# Allegro board XS6-9.brd (continued)
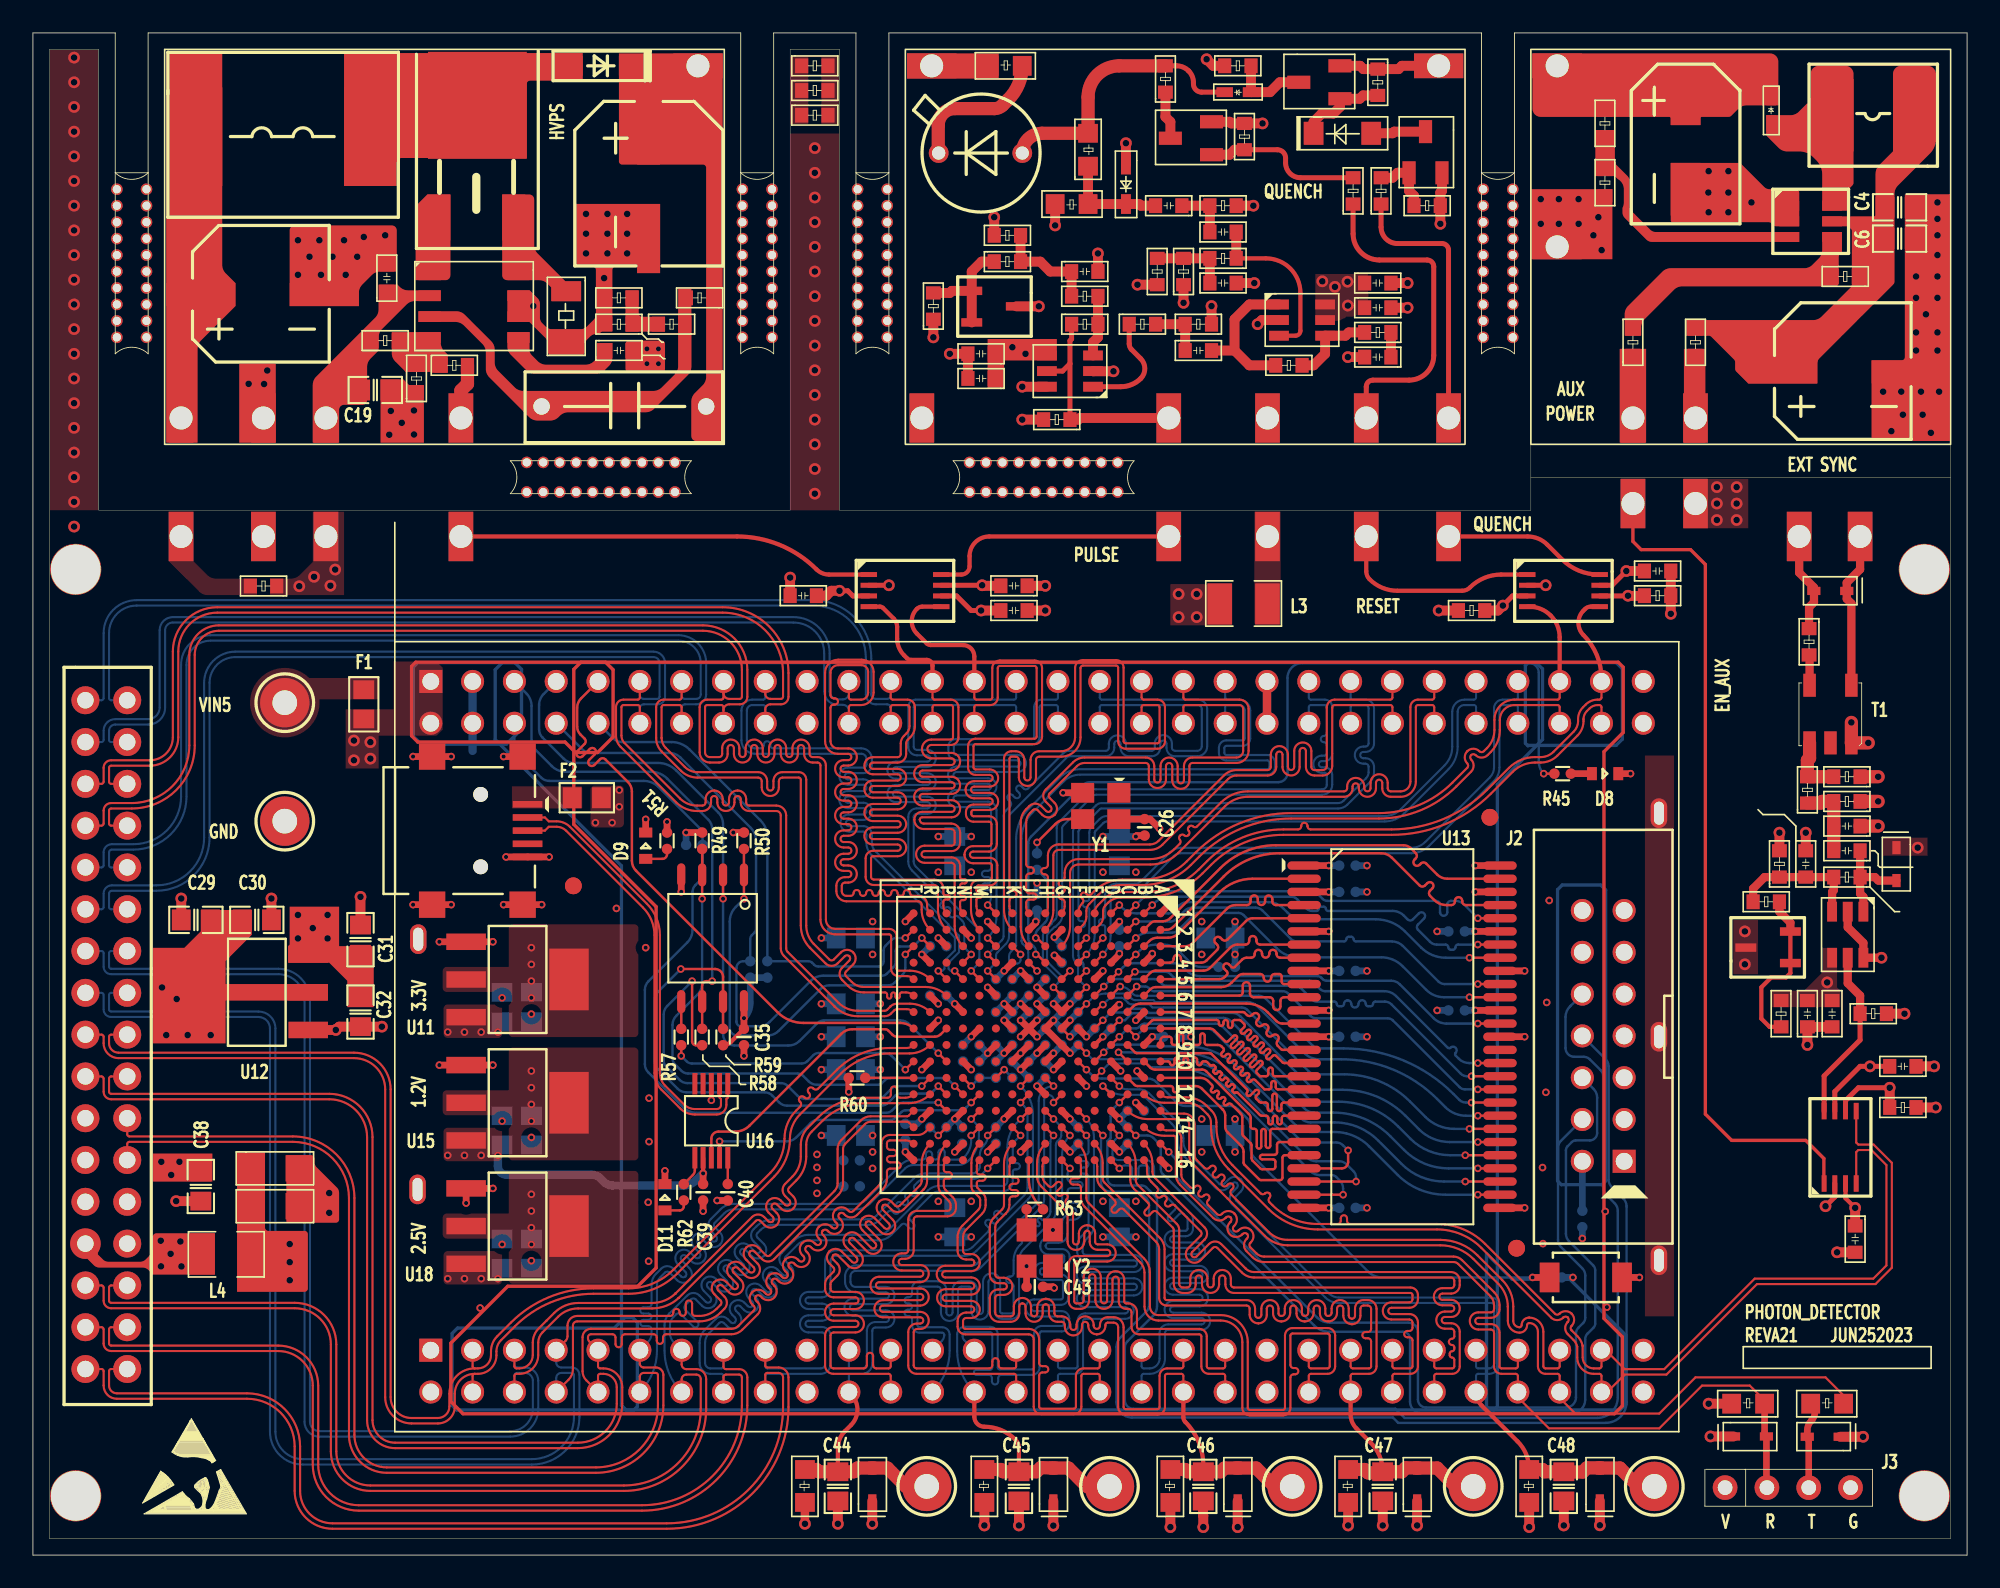
[diagram p0: board, top side]
## Routing (per net, layer and track width the routed paths; a pad name or vN(x,y) marks a point on that pad's centre or on a via; arc(x,y) is an arc through that point) (continued)
T5_L48N_2: length 90.7
  TOP w0.127: J5.7 4.75,44.33 arc(4.66,44.36) 4.62,44.45 4.62,45.24 arc(4.66,45.33) 4.75,45.37 6,45.37 arc(8.71,46.49) 9.83,49.2 9.83,54.7 arc(10.26,55.74) 11.3,56.17 40.7,56.17 arc(42.38,55.48) 43.07,53.8 43.07,52.16 arc(43.03,52.07) 42.94,52.03 42.3,52.03 arc(42.05,52.13) 41.95,52.38 ; 41.95,52.38 41.95,52.11 arc(41.95,52.08) 41.93,52.04 arc(41.88,52) 41.82,51.98 40.96,51.98 arc(40.64,51.85) 40.5,51.53 40.5,48.78 arc(40.68,48.34) 41.12,48.16 41.68,48.16 arc(42.05,48.31) 42.2,48.68 42.2,49.04 arc(42.39,49.23) 42.58,49.04 42.58,48.68 arc(43.1,48.16) 43.63,48.68 43.63,49.04 arc(43.82,49.23) 44.01,49.04 44.01,48.68 arc(44.53,48.16) 45.05,48.68 45.05,49.04 arc(45.24,49.23) 45.43,49.04 45.43,48.68 arc(45.95,48.16) 46.47,48.68 46.47,49.04 arc(46.66,49.23) 46.85,49.04 46.85,48.68 arc(47,48.31) 47.37,48.16 47.66,48.16 arc(47.79,48.11) 47.84,47.98 47.84,38.62 arc(48.11,37.99) 48.74,37.72 52.01,37.72 arc(52.1,37.69) 52.14,37.6 52.14,35.64 arc(52.27,35.32) 52.59,35.18 53.1,35.18 arc(53.3,35.14) 53.47,35.03 U14.T5 ; 41.95,52.38 J4.15
T6_L47N_2: length 90.9
  TOP w0.127: J4.13 39.41,52.11 arc(39.37,52.02) 39.28,51.98 38.32,51.98 arc(37.99,51.85) 37.86,51.53 37.86,49.66 arc(37.95,49.21) 38.21,48.82 39.37,47.66 arc(39.83,47.36) 40.37,47.25 44.06,47.25 arc(44.21,47.18) 44.27,47.03 44.27,46.65 arc(44.79,46.13) 45.32,46.65 45.32,47.03 arc(45.38,47.18) 45.53,47.25 46.52,47.25 arc(46.61,47.21) 46.65,47.12 46.65,38.26 arc(46.79,37.53) 47.19,36.92 arc(47.2,36.91) 47.21,36.89 47.21,36.89 48.15,35.96 arc(48.52,35.81) 48.89,35.96 49.32,36.39 arc(49.46,36.45) 49.59,36.39 49.59,36.39 arc(49.65,36.26) 49.59,36.12 49.16,35.69 arc(49,35.32) 49.16,34.95 49.51,34.59 arc(49.96,34.3) 50.48,34.19 51.77,34.19 arc(51.86,34.16) 51.89,34.07 51.89,33.94 arc(52.02,33.81) 52.15,33.94 52.15,34.07 arc(52.27,34.19) 52.4,34.07 52.4,33.94 arc(52.53,33.81) 52.65,33.94 52.65,34.07 arc(52.69,34.16) 52.78,34.19 53.04,34.19 arc(53.29,34.14) U14.T6
  BOTTOM w0.127: J5.9 4.75,41.79 arc(4.66,41.82) 4.62,41.91 4.62,42.7 arc(4.67,42.82) 4.79,42.87 6.1,42.87 arc(8.38,43.82) 9.33,46.1 9.33,54.1 arc(9.76,55.14) 10.8,55.57 39.2,55.57 arc(40.17,55.17) 40.57,54.2 40.57,52.3 arc(40.49,52.11) 40.3,52.03 39.6,52.03 arc(39.47,52.09) 39.41,52.22 J4.13
T7_L32N_GCLK28_2: length 89.4
  TOP w0.127: J4.11 36.87,52.11 arc(36.83,52.02) 36.74,51.98 35.88,51.98 arc(35.56,51.85) 35.42,51.53 35.42,49.8 arc(35.5,49.43) 35.71,49.11 39.08,45.74 arc(39.66,45.35) 40.35,45.22 40.67,45.22 arc(41.04,45.37) 41.2,45.74 41.2,45.94 arc(41.39,46.13) 41.58,45.94 41.58,45.74 arc(42.1,45.22) 42.62,45.74 42.62,45.94 arc(42.81,46.13) 43,45.94 43,45.74 arc(43.15,45.37) 43.52,45.22 45.16,45.22 arc(45.35,45.14) 45.43,44.95 45.43,36.88 arc(45.48,36.63) 45.62,36.41 48.7,33.33 arc(49.35,32.9) 50.12,32.74 51.74,32.74 arc(51.95,32.79) 52.13,32.9 52.33,33.11 arc(52.41,33.16) 52.5,33.18 53.08,33.18 arc(53.3,33.13) U14.T7
  BOTTOM w0.127: J4.11 36.87,52.26 arc(36.94,52.1) 37.1,52.03 37.94,52.03 arc(38.03,52.07) 38.07,52.16 38.07,54.2 arc(37.96,54.46) 37.7,54.57 12.3,54.57 arc(11.19,54.11) 10.73,53 10.73,43.6 arc(9.78,41.32) 7.5,40.37 4.79,40.37 arc(4.67,40.32) 4.62,40.2 4.62,39.37 arc(4.66,39.28) 4.75,39.25 J5.11
T8_IO_GCLK0_2: length 37.3
  TOP w0.147: J4.9 33.3,52.06 arc(33.12,51.79) 33.06,51.48 33.06,50.35 arc(33.11,50.09) 33.26,49.87 33.52,49.61 arc(33.58,49.45) 33.52,49.3 33.08,48.86 arc(33.08,48.55) 33.39,48.55 33.83,48.99 arc(34.14,48.99) 34.14,48.67 33.79,48.32 arc(33.79,48.01) 34.1,48.01 34.45,48.36 arc(34.61,48.43) 34.77,48.36 36.15,46.98 arc(36.32,46.71) 36.39,46.4 36.39,42.19 arc(36.45,41.86) 36.64,41.59 45.24,32.99 arc(45.96,32.51) 46.8,32.34 52.68,32.34 arc(53.13,32.25) U14.T8
T9_L23N_2: length 84.8
  TOP w0.127: J5.17 4.75,31.63 arc(4.66,31.59) 4.62,31.5 4.62,31.11 arc(4.79,30.7) 5.2,30.53 19.5,30.53 arc(21.08,29.88) 21.73,28.3 21.73,9.6 arc(22.1,8.7) 23,8.33 24.6,8.33 arc(25.09,8.54) 25.3,9.03 25.3,9.81 arc(25.75,10.89) 26.84,11.34 ; 26.84,11.34 27.03,11.34 arc(27.59,11.58) 27.83,12.14 27.83,12.38 arc(27.93,12.88) 28.21,13.3 29.04,14.13 arc(31.34,15.67) 34.06,16.21 36.18,16.21 arc(37.65,16.5) 38.9,17.33 44.8,23.24 arc(45.44,24.19) 45.66,25.3 arc(45.84,26.23) 46.37,27.01 46.62,27.26 arc(46.67,27.4) 46.62,27.53 46.59,27.56 arc(46.59,27.83) 46.86,27.83 46.89,27.8 arc(47.16,27.8) 47.16,28.07 47.12,28.1 arc(47.13,28.37) 47.39,28.37 47.42,28.34 arc(47.56,28.28) 47.69,28.34 48.85,29.5 arc(50.31,30.47) 52.03,30.81 53.08,30.81 arc(53.3,30.86) 53.48,30.98 U14.T9 ; 26.84,11.34 arc(26.75,11.38) 26.71,11.47 J6.3
T10_IO_MOSI_MISO0_2: length 1.7
  TOP w0.147: U9.5 R57.2
T12_L52N_1: length 99.1
  TOP w0.127: U14.T12 53.5,28 arc(53.27,27.85) 53,27.79 52.69,27.79 arc(52.55,27.85) 52.5,27.98 52.5,28.29 arc(52.31,28.48) 52.12,28.29 52.12,27.98 arc(52.06,27.85) 51.93,27.79 50.54,27.79 arc(49.02,27.49) 47.74,26.63 47.08,25.97 arc(46.76,25.5) 46.65,24.94 46.65,24.23 arc(46.52,23.56) 46.14,23 45.7,22.56 arc(45.54,22.19) 45.7,21.82 45.96,21.56 arc(46.01,21.43) 45.96,21.29 arc(45.82,21.24) 45.69,21.29 45.43,21.55 arc(44.69,21.55) 44.69,20.81 44.95,20.55 arc(45.01,20.42) 44.95,20.29 44.95,20.29 arc(44.81,20.23) 44.68,20.29 44.42,20.54 arc(44.05,20.7) 43.68,20.54 39.04,15.9 arc(39.04,15.9) 39.03,15.89 arc(38.38,15.47) 37.61,15.32 33.13,15.32 arc(32.34,15.16) 31.67,14.72 31.2,14.25 30.73,13.77 arc(30.46,13.38) 30.37,12.91 30.37,12.16 arc(30.13,11.58) 29.55,11.34 29.38,11.34 arc(29.29,11.38) 29.25,11.47 J6.5
  BOTTOM w0.127: J5.14 4.17,36.71 arc(4.26,36.67) 4.29,36.58 4.29,35.76 arc(4.43,35.43) 4.75,35.3 14.9,35.3 arc(16.03,34.83) 16.5,33.7 16.5,8.1 arc(16.76,7.46) 17.4,7.2 29,7.2 arc(30.2,7.7) 30.7,8.9 30.7,10.6 arc(30.47,11.17) 29.9,11.4 29.4,11.4 arc(29.29,11.44) 29.25,11.55 J6.5
T13_L51N_1: length 101.9
  TOP w0.127: U14.T13 53.2,26.7 arc(53.16,26.67) 53.11,26.66 50.89,26.66 arc(50.58,26.6) 50.31,26.42 49.12,25.23 arc(48.94,24.97) 48.88,24.67 48.88,22.6 arc(48.83,22.34) 48.69,22.12 44.79,18.22 arc(44.66,18.17) 44.52,18.22 44.07,18.68 arc(43.7,18.83) 43.33,18.68 arc(43.18,18.31) 43.33,17.94 43.79,17.49 arc(43.79,17.22) 43.52,17.22 43.06,17.67 arc(42.69,17.83) 42.32,17.67 42.32,17.67 arc(42.17,17.31) 42.32,16.94 42.78,16.48 arc(42.78,16.21) 42.51,16.21 42.13,16.59 arc(41.76,16.74) 41.39,16.59 arc(41.24,16.22) 41.39,15.85 41.77,15.47 arc(41.83,15.34) 41.77,15.2 41.53,14.97 arc(41.06,14.65) 40.49,14.53 40.24,14.53 arc(40.1,14.59) 40.04,14.72 40.04,15.28 arc(39.85,15.47) 39.66,15.28 39.66,14.72 arc(39.47,14.53) 39.28,14.72 39.28,14.77 arc(39.09,14.96) 38.9,14.77 38.9,14.72 arc(38.85,14.59) 38.71,14.53 33.07,14.53 arc(32.65,14.36) 32.48,13.94 32.48,13.3 arc(32.45,13.15) 32.36,13.02 J6.7
  BOTTOM w0.127: J6.7 31.79,11.71 arc(31.88,11.49) 32.1,11.4 32.74,11.4 arc(33.07,11.27) 33.2,10.94 33.2,8.4 arc(32.35,6.35) 30.3,5.5 16.4,5.5 arc(14.99,6.09) 14.4,7.5 14.4,32 arc(14.19,32.49) 13.7,32.7 4.75,32.7 arc(4.43,32.83) 4.29,33.16 4.29,34.04 arc(4.26,34.13) 4.17,34.17 J5.16
T14_L51P_1: length 100.5
  TOP w0.127: U14.T14 53.2,26.3 arc(53.16,26.32) 53.11,26.33 50.89,26.33 arc(50.7,26.3) 50.54,26.19 49.35,24.99 arc(49.25,24.85) 49.21,24.67 49.21,22.6 arc(49.14,22.21) 48.92,21.88 45.03,17.99 arc(44.66,17.84) 44.29,17.99 43.83,18.45 arc(43.7,18.5) 43.56,18.45 43.56,18.45 arc(43.51,18.31) 43.56,18.18 44.02,17.72 arc(44.02,16.98) 43.28,16.98 42.83,17.44 arc(42.69,17.5) 42.56,17.44 arc(42.5,17.31) 42.56,17.17 43.01,16.71 arc(43.01,15.98) 42.28,15.98 41.9,16.36 arc(41.76,16.41) 41.63,16.36 arc(41.57,16.22) 41.63,16.09 42.01,15.71 arc(42.16,15.34) 42.01,14.97 41.77,14.73 arc(41.18,14.34) 40.49,14.2 33.07,14.2 arc(32.88,14.13) 32.81,13.94 32.81,11.3 arc(32.74,10.95) 32.54,10.66 J6.8
  BOTTOM w0.127: J6.8 31.79,10.76 arc(31.88,10.98) 32.1,11.07 32.74,11.07 arc(32.83,11.03) 32.87,10.94 32.87,8.4 arc(32.12,6.58) 30.3,5.83 16.4,5.83 arc(15.22,6.32) 14.73,7.5 14.73,32 arc(14.43,32.73) 13.7,33.03 4.75,33.03 arc(4.66,33.07) 4.62,33.16 4.62,34.04 arc(4.66,34.13) 4.75,34.17 J5.15
T15_L50N_1: length 96.8
  TOP w0.127: J5.20 4.17,29.09 arc(4.26,29.05) 4.29,28.96 4.29,28.16 arc(4.43,27.83) 4.75,27.7 18,27.7 arc(19.63,27.03) 20.3,25.4 20.3,8.2 arc(20.8,7) 22,6.5 33.1,6.5 arc(35.01,7.29) 35.8,9.2 35.8,10.2 arc(35.46,11.01) 34.66,11.34 34.46,11.34 arc(34.37,11.38) 34.33,11.47 J6.9 33.8,12.98 arc(33.74,13.07) 33.72,13.17 33.72,13.24 arc(33.77,13.37) 33.9,13.42 35.2,13.42 arc(35.34,13.37) 35.39,13.23 35.39,12.82 arc(35.58,12.63) 35.77,12.82 35.77,13.23 arc(35.83,13.37) 35.96,13.42 37.71,13.42 arc(37.84,13.37) 37.9,13.23 37.9,13.02 arc(38.09,12.83) 38.28,13.02 38.28,13.23 arc(38.34,13.37) 38.47,13.42 42.43,13.42 arc(42.79,13.49) 43.09,13.69 44.03,14.63 arc(44.18,15) 44.03,15.37 43.93,15.47 arc(43.87,15.6) 43.92,15.73 43.93,15.74 arc(44.06,15.79) 44.2,15.74 44.3,15.64 arc(45.04,15.64) 45.04,16.37 44.93,16.48 arc(44.88,16.61) 44.93,16.74 44.93,16.75 arc(45.07,16.8) 45.2,16.75 45.31,16.64 arc(46.04,16.64) 46.04,17.38 45.94,17.48 arc(45.89,17.6) 45.94,17.72 45.94,17.73 arc(46.09,17.79) 46.24,17.73 46.31,17.65 arc(47.05,17.65) 47.05,18.39 46.97,18.46 arc(46.92,18.59) 46.97,18.73 46.97,18.73 arc(47.11,18.79) 47.24,18.73 47.32,18.66 arc(48.06,18.66) 48.06,19.39 47.98,19.47 arc(47.93,19.59) 47.97,19.71 47.98,19.71 arc(48.13,19.78) 48.28,19.71 48.33,19.66 arc(49.06,19.66) 49.06,20.4 48.99,20.48 arc(48.93,20.61) 48.98,20.74 48.99,20.75 arc(49.12,20.8) 49.26,20.75 49.33,20.67 arc(49.7,20.52) 50.07,20.67 51.62,22.22 arc(51.81,22.51) 51.88,22.86 51.88,23.3 arc(51.94,23.43) 52.07,23.49 52.53,23.49 arc(52.72,23.68) 52.53,23.87 52.07,23.87 arc(51.88,24.06) 52.07,24.25 52.28,24.25 arc(52.47,24.44) 52.28,24.63 52.07,24.63 arc(51.94,24.68) 51.88,24.82 51.88,25.02 arc(51.93,25.15) 52.06,25.2 53.01,25.2 arc(53.28,25.15) U14.T15
TXD: length 18.5
  TOP w0.147: U16.8 41.21,25.3 arc(41.34,25.61) 41.65,25.73 42.66,25.73 arc(43.13,25.83) 43.53,26.09 49.13,31.69 arc(49.42,31.89) 49.77,31.96 51.77,31.96 arc(51.87,31.94) 51.96,31.88 52.22,31.61 arc(52.35,31.53) 52.5,31.5 54.78,31.5 arc(54.98,31.54) 55.16,31.65 U14.P8
USB_DM: length 26.1
  TOP w0.127: U16.2 41.71,27.8 41.8,27.71 41.8,27.36 arc(41.72,27.18) 41.54,27.11 40.21,27.11 arc(39.86,27.18) 39.55,27.38 38.41,28.53 arc(38.17,28.88) 38.09,29.29 38.09,37.67 arc(37.88,38.7) 37.29,39.58 32.62,44.26 arc(32.25,44.5) 31.82,44.59 31.34,44.59 31.1,44.82 J1.2
USB_DP: length 26.6
  TOP w0.127: J1.3 31.1,44.02 31.34,44.26 31.82,44.26 arc(32.13,44.2) 32.39,44.02 37.06,39.35 arc(37.58,38.58) 37.76,37.67 37.76,29.29 arc(37.87,28.75) 38.17,28.29 39.32,27.14 arc(39.73,26.87) 40.21,26.78 41.54,26.78 arc(41.96,26.95) 42.13,27.36 42.13,27.71 42.21,27.8 U16.1
VQUENCH: length 6.2
  TOP w0.6: Q1.2 80.63,90.5 80.83,90.3 R5.1 82.96,90.3 83.16,90.5 TP3.1
VREF: length 6.4
  TOP w0.6: R17.1 R19.2 61.2,78.6 61.8,78 C7.1 R23.2
ZERO_CROSS: length 10.5
  TOP w0.3: R56.1 111,31.3 108.81,29.12 U17.8
  TOP w0.5: U8.5 110.25,34.75 111,34 R56.1
N20588: length 4
  TOP w0.147: v3(61,43.31) 62.12,44.43 arc(62.45,44.65) 62.83,44.72 Y1.3
  BOTTOM w0.147: R72.2 v3(61,43.31)
N92203: length 1.3
  TOP w0.147: R63.2 Y2.3
N141459: length 1.8
  TOP w0.147: R51.2 38.52,42.59 arc(38.44,42.39) 38.24,42.31 D9.1
N147837: length 6.4
  TOP w0.147: U14.C4 v3(67,36.5)
  BOTTOM w0.147: v3(67,36.5) 67.16,36.66 arc(67.63,36.98) 68.19,37.09 68.76,37.09 arc(69.19,37) 69.56,36.76 70.31,36.01 arc(70.6,35.81) 70.95,35.74 R73.1
N151004: length 15.8
  TOP w0.147: R57.1 v3(39.39,30.33) ; U14.T10 v3(53,29.5)
  BOTTOM w0.147: v3(39.39,30.33) 39.72,30 arc(39.86,29.91) 40.03,29.87 46.71,29.87 arc(46.89,29.91) 47.04,30.01 47.41,30.38 arc(47.55,30.48) 47.72,30.51 51.73,30.51 arc(51.97,30.46) 52.18,30.32 v3(53,29.5)
N151270: length 27.6
  TOP w0.147: v3(40.04,34.88) 40.04,31.21 arc(40.11,31.05) 40.28,30.98 R58.1 ; U14.R11 v3(54,28.5)
  BOTTOM w0.147: v3(40.04,34.88) 38.53,33.37 arc(38.37,33.13) 38.32,32.85 38.32,30.05 arc(38.35,29.86) 38.46,29.71 39.3,28.87 arc(39.51,28.73) 39.76,28.68 45.45,28.68 arc(45.67,28.64) 45.85,28.52 46.45,27.92 arc(46.67,27.77) 46.94,27.72 51.32,27.72 arc(51.51,27.75) 51.68,27.87 52.2,28.39 arc(52.33,28.47) 52.47,28.5 v3(54,28.5)
N154888: length 1.4
  TOP w0.147: U14.L11 v3(59,29.5)
  BOTTOM w0.147: v3(59,29.5) R76.1
N154918: length 1.4
  TOP w0.147: U14.P14 v3(55,25.5)
  BOTTOM w0.147: v3(55,25.5) R79.2
N155350: length 1.3
  TOP w0.406: D8.1 R45.1
N271586: length 1.6
  TOP w0.147: U16.10 C40.1
N273444: length 1.9
  TOP w0.147: R62.1 40.09,23.1 arc(40.18,23.23) 40.21,23.39 U16.6
N273448: length 1.6
  TOP w0.147: D11.1 39.3,20.95 arc(39.47,21.02) 39.54,21.19 R62.2
N370992: length 5.6
  TOP w0.6: R5.2 80.81,88.7 80.61,88.5 Q1.1 79.4,88 79,87.6 78.3,87.6 77.8,87.1 D4.1
N371048: length 3.3
  TOP w0.6: Q4.3 82.7,86.5 82.6,86.4 D4.2
N371052: length 17.2
  TOP w0.3: D2.1 71,88.9 arc(70.65,89.05) 70.5,89.4 70.5,89.5 arc(70.43,89.87) 70.22,90.18 70.2,90.2 arc(69.87,90.42) 69.48,90.5 R4.2
  TOP w0.8: R4.2 66,90.5 arc(64.66,89.94) 64.1,88.6 R10.2 61.3,86.4 arc(60.46,86.05) D5.2
N371122: length 4.7
  TOP w0.6: R3.2 D2.2 75.15,88.9 75.75,89.5 Q1.3
N371190: length 3.9
  TOP w0.6: R13.2 82.6,83.7 82.9,84 Q4.1 83.6,82.9 83.9,82.6 R16.1
N371268: length 6.4
  TOP w0.6: C3.2 67.3,82 67.2,82.1 D6.2 R14.2 R10.1
N371272: length 2.9
  TOP w0.6: Q2.3 69.1,87.1 68.8,87.4 R4.1
N371414: length 9.8
  TOP w0.3: R9.1 75.6,85.4 arc(75.95,85.25) 76.1,84.9 76.1,84.6 arc(76.36,83.96) 77,83.7 R12.2
  TOP w0.6: Q2.1 72.7,85.1 73,85.4 R9.1
N371666: length 3.3
  TOP w0.6: C5.2 R15.1 C3.1
N372066: length 7.1
  TOP w0.6: U3.1 U3.3 ; U3.1 57.03,78 57.63,78.6 R19.1 ; U3.1 55.82,76.82 55.7,76.7 R26.2
N375383: length 6.7
  TOP w0.3: R31.1 66.6,73.6 arc(66.64,73.42) 66.74,73.26 67.3,72.7 arc(67.55,72.1) 67.3,71.5 arc(66.75,71.13) 66.09,71 U5.1
N376175: length 3.7
  TOP w0.6: R23.1 R30.2 64.7,74 64.4,73.7 U5.3
N379806: length 4.7
  TOP w0.6: R20.1 R21.2 R18.2 C9.1
N380805: length 10.5
  TOP w0.254: R18.1 74.9,78.8 arc(76.38,78.18) 77,76.7 77,74.4 arc(76.91,74.19) 76.7,74.1 U4.3
  TOP w0.6: C5.1 R18.1
N381019: length 5.3
  TOP w0.6: R33.2 79.94,74.3 79.74,74.1 U4.4 78.5,73 77.8,72.3 R38.2
N381074: length 9.2
  TOP w0.6: C14.2 73,73.2 ; 73,73.2 73,75.1 73.9,76 U4.1 ; 73,73.2 73.9,72.3 R38.1
N381200: length 1.5
  TOP w0.6: R33.1 C16.1
N382559: length 3.4
  TOP w0.6: R31.2 R32.2 C14.1
N382943: length 9
  TOP w0.8: R2.1 arc(59.88,89.39) 59.25,88.45 58.9,88.1 arc(58.68,87.95) 58.42,87.9 56,87.9 arc(55.29,87.61) 55,86.9 55,85.26 arc(55.01,85.23) D5.1
N415847: length 3.7
  TOP w0.8: R46.2 R47.2 107.8,48.3 107.93,48.43 T1.3
N415863: length 6.1
  TOP w0.5: R44.1 107.9,57.6 108.2,57.9 108.2,58.58 D7.2 108.19,58.81 107.3,59.7 TP27.1
N415867: length 1.9
  TOP w0.5: T1.4 107.93,54.67 R44.2
N415925: length 9.5
  TOP w0.5: TP28.1 111,59.9 110.19,59.09 D7.1 110.19,58.11 110.47,57.83 T1.5
N417813: length 4.6
  TOP w0.8: C27.2 C25.2 R48.2 108.7,45.8 108.6,45.7 R47.1
N417823: length 6.1
  TOP w0.5: R53.1 111.9,41.2 112.11,40.99 D10.2 ; R53.1 111,40.2 111.2,40 U8.1 ; R53.1 C27.1
N419097: length 8.1
  TOP w0.5: R54.2 104.5,40.5 105.2,41.2 R52.1 C28.1 R53.2 109.4,40.4 109.3,40.3 U8.3
N419105: length 10
  TOP w0.254: U10.3 U10.1 106.77,35.37 106.5,35.1 105.6,35.1 105,34.5 105,32.6 105.5,32.1 R55.2
  TOP w0.5: R54.1 106.1,39.1 106.77,38.43 U10.3
N429095: length 5.3
  TOP w0.4: J3.3 107.88,6.97 arc(107.86,7.09) D13.2 107.79,7.56 arc(107.86,7.89) 108.05,8.18 108.05,8.18 arc(108.25,8.67) 108.05,9.15 R65.2

## Copper pours and planes (outline as drawn; the poured copper is in the pictures)
5V_HVPS_IN on TOP: 8.25,63.4 8.25,60.4 10.1,58.55 10.34,58.39 10.61,58.34 13.6,58.34 13.6,58.34 13.6,59.34 11.11,59.34 10.83,59.39 10.6,59.55 9.75,60.4 9.75,63.4
+1.2V on L3_P: 29.05,23.88 29.05,31.98 43.52,31.98 45.35,33.81 51.69,33.81 53.46,32.03 55.2,32.03 57.11,33.94 63.31,33.94 63.31,30.08 59.14,30.08 58.25,30.97 57.78,30.97 56.4,29.59 56.4,27.16 50.05,27.16 50.05,28.63 48.74,28.63 48.1,27.99 48.1,26.78 45.13,26.78 42.24,23.88
+2.5V on BOTTOM: 49.56,23.58 49.48,23.4 49.3,23.32 47.53,23.32 47.35,23.4 47.27,23.58 47.27,24.34 47.35,24.52 47.53,24.59 49.3,24.59 49.48,24.52 49.56,24.34
+2.5V on BOTTOM: 31.14,18.68 31.07,18.5 30.89,18.42 29.62,18.42 29.44,18.5 29.37,18.68 29.37,22.23 29.44,22.41 29.62,22.49 30.89,22.49 31.07,22.41 31.14,22.23
+2.5V on L3_P: 29.05,18.39 29.05,23.68 42.32,23.68 45.22,26.57 48.1,26.57 48.1,23.27 46.38,23.27 45.51,22.4 45.51,18.82 45.08,18.39
+3.3V on BOTTOM: 71.88,24.49 71.81,24.31 71.63,24.23 70.87,24.23 70.69,24.31 70.61,24.49 70.61,26.52 70.69,26.7 70.87,26.77 71.63,26.77 71.81,26.7 71.88,26.52
+3.3V on BOTTOM: 67.28,41.5 67.21,41.32 67.03,41.25 64.99,41.25 64.81,41.32 64.74,41.5 64.74,42.27 64.81,42.45 64.99,42.52 67.03,42.52 67.21,42.45 67.28,42.27
+3.3V on BOTTOM: 49.56,22 49.48,21.82 49.3,21.75 47.53,21.75 47.35,21.82 47.27,22 47.27,22.76 47.35,22.94 47.53,23.02 49.3,23.02 49.48,22.94 49.56,22.76
+3.3V on BOTTOM: 71.88,36.49 71.81,36.31 71.63,36.23 70.87,36.23 70.69,36.31 70.61,36.49 70.61,38.52 70.69,38.7 70.87,38.77 71.63,38.77 71.81,38.7 71.88,38.52
+3.3V on BOTTOM: 31.14,33.66 31.07,33.48 30.89,33.41 29.62,33.41 29.44,33.48 29.37,33.66 29.37,37.22 29.44,37.4 29.62,37.47 30.89,37.47 31.07,37.4 31.14,37.22
+3.3V on BOTTOM: 50.23,36.22 50.05,36.3 49.97,36.48 49.97,38.51 50.05,38.69 50.23,38.76 50.99,38.76 51.17,38.69 51.24,38.51 51.24,36.48 51.17,36.3 50.99,36.22
+3.3V on BOTTOM: 57.28,41.5 57.21,41.32 57.03,41.25 54.99,41.25 54.81,41.32 54.74,41.5 54.74,42.27 54.81,42.45 54.99,42.52 57.03,42.52 57.21,42.45 57.28,42.27
+3.3V on L3_P: 94.9,58.8 99.9,58.8 99.9,45.1 99.48,45.1 99.48,29 99.6,28.88 116.5,28.88 116.5,1 22.5,1 22.5,11.1 22.52,11.1 22.52,15.57 29.05,15.57 29.05,18.19 45.17,18.19 45.71,18.73 45.71,22.31 46.46,23.07 48.3,23.07 48.3,27.9 48.82,28.43 49.85,28.43 49.85,16.92 67.58,16.92 67.58,27.16 56.61,27.16 56.61,29.5 57.87,30.76 58.16,30.76 59.05,29.87 63.51,29.87 63.51,34.14 57.02,34.14 55.12,32.24 53.55,32.24 51.77,34.01 45.26,34.01 43.43,32.19 29.05,32.19 29.05,36.49 30.21,37.65 32.49,37.65 39.3,44.45 39.3,56.77 41.1,58.57 45.31,58.57 46.73,58.57 47.34,59.18 49.94,59.18 51.32,57.8 62.7,57.8 65.5,55 80.52,55 83.82,58.3 94.4,58.3
+5V on TOP (solid shape): 18.6,37 20.7,37 20.7,33.3 19.1,33.3 19.1,34.9 18,36 15.5,36 15.5,37 15.6,37.1 15.6,39.4 18.6,39.4
+5V on TOP (solid shape): 14.1,19.9 14.16,19.76 14.3,19.7 16.5,19.7 16.64,19.64 16.7,19.5 16.7,16.2 16.64,16.06 16.5,16 12.4,16 12.4,24.5 14.1,24.5
+5V on TOP: 28.5,24.19 28.43,24.01 28.25,23.93 25.2,23.93 25.02,24.01 24.95,24.19 24.95,25.71 25.02,25.89 25.2,25.97 28.25,25.97 28.43,25.89 28.5,25.71
+5V on TOP: 17,63.4 18.9,63.4 18.9,58.34 14.41,58.34 14.41,59.34 14.41,59.34 15.69,59.34 15.97,59.39 16.2,59.55 17,60.35
+5V on TOP: 72.8,59 72.8,56.5 69.1,56.5 69.1,59
+5V on TOP: 35.65,46.76 35.83,46.68 35.9,46.5 35.9,44.47 35.83,44.29 35.65,44.22 34.12,44.22 33.94,44.29 33.87,44.47 33.87,46.5 33.94,46.68 34.12,46.76
+5V on TOP: 24.9,53.92 24.9,50.17 24.53,49.8 21,49.8 21,47.8 19,47.8 19,51.4 21.9,51.4 21.9,54.3 24.52,54.3
+5V on TOP: 28.5,16.69 28.43,16.51 28.25,16.44 25.2,16.44 25.02,16.51 24.95,16.69 24.95,18.22 25.02,18.4 25.2,18.47 28.25,18.47 28.43,18.4 28.5,18.22
+5V on TOP: 28.5,31.68 28.43,31.5 28.25,31.43 25.2,31.43 25.02,31.5 24.95,31.68 24.95,33.2 25.02,33.38 25.2,33.46 28.25,33.46 28.43,33.38 28.5,33.2
+5V on TOP: 100.3,65.4 100.3,62.4 104.2,62.4 104.2,65.4
+5V on TOP: 105.6,33.3 109.8,33.3 109.8,34.3 109.6,34.5 109.6,36.9 108.7,36.9 108.7,35.4 107.6,34.3 105.6,34.3
+5V on BOTTOM: 29.26,31.68 29.19,31.5 29.01,31.43 25.2,31.43 25.02,31.5 24.95,31.68 24.95,32.95 25.02,33.13 25.2,33.2 29.01,33.2 29.19,33.13 29.26,32.95
+5V on BOTTOM: 29.26,24.19 29.19,24.01 29.01,23.93 25.2,23.93 25.02,24.01 24.95,24.19 24.95,25.46 25.02,25.64 25.2,25.71 29.01,25.71 29.19,25.64 29.26,25.46
+5V on BOTTOM: 29.26,16.69 29.19,16.51 29.01,16.44 25.2,16.44 25.02,16.51 24.95,16.69 24.95,17.96 25.02,18.14 25.2,18.22 29.01,18.22 29.19,18.14 29.26,17.96
+5V on L3_P: 96.92,65.4 116.5,65.4 116.5,29.44 116.5,29.27 101.02,29.27 101.02,59.4 81.7,59.4 78.7,56.4 68.1,56.4 66.1,58.4 54.02,58.4 52.09,60.33 45.66,60.33 44.73,59.4 40.21,59.4 38.9,58.09 38.9,55 38.9,55 38.9,44.34 32.41,37.85 30.12,37.85 28.84,36.57 28.84,15.78 22.52,15.78 12.4,15.78 12.4,19.69 15.6,19.69 15.6,39.8 19,43.2 19,53.92 7.59,53.92 1.47,53.92 1.47,63.17 7.59,63.17 7.59,62.9 91.05,62.9 91.09,62.94 91.09,65.4 96.92,65.4 ; 2 cut-outs
GND on TOP: 1.01,91.49 1.01,63.49 3.99,63.49 3.99,91.49
GND on TOP: 112.4,43.6 112.4,42.5 115.1,42.5 115.1,43.6
GND on TOP: 103.3,38.6 103.3,35.3 104.8,35.3 104.8,38.6
GND on TOP: 46.01,86.38 46.01,63.49 48.99,63.49 48.99,86.38
GND on TOP, BOTTOM: 97.93,14.51 97.93,48.59 99.69,48.59 99.69,14.51
GND on BOTTOM: 46,91.5 49,91.5 49,63.5 53,63.5 87,63.5 91,63.5 91,65.5 116.5,65.5 116.5,1 1,1 1,91.5 4,91.5 4,63.5 8,63.5 42,63.5 46,63.5 ; 14 cut-outs
GND on BOTTOM: 22.31,14.15 22.31,48.77 24.45,48.77 24.45,14.15
GND on L2_GND: 1,91.5 4,91.5 4,63.5 8,63.5 42,63.5 46.01,63.5 46.01,91.49 48.99,91.49 48.99,63.5 53,63.5 87,63.5 91,63.5 116.5,63.5 116.5,1 1,1 1,63.5 ; 12 cut-outs
GND on L3_P: 46,91.5 46,63.5 49,63.5 49,91.5
GND on L3_P: 1,91.5 1,64.5 4,64.5 4,91.5
GND_FIELD SIGNAL on BOTTOM: 53,91.5 87,91.5 87,67.5 53,67.5
GND_FIELD SIGNAL on L2_GND: 53,91.5 53,67.5 87,67.5 87,91.5
GND_HVPS on TOP (solid shape): 14.75,67.6 12.54,67.6 12.54,72.4 14.75,72.4
GND_HVPS on TOP (solid shape): 22.85,71.1 23.75,71.1 23.75,67.6 21.12,67.6 21.12,71.44 22.5,71.44
GND_HVPS on TOP (solid shape): 21.8,80.8 22.01,80.71 22.1,80.5 22.1,78 21.1,78 20.82,77.94 20.59,77.79 20.01,77.21 19.86,76.98 19.8,76.7 19.8,75.9 15.6,75.9 15.6,80.5 15.69,80.71 15.9,80.8
GND_HVPS on TOP (solid shape): 38.1,78.3 35.4,78.3 35.26,78.24 35.2,78.1 35.2,74.4 34.6,74.4 34.54,74.34 34.38,74.24 34.02,74.16 33.86,74.06 33.64,73.84 33.54,73.68 33.5,73.5 33.5,73.1 33.44,72.96 33.3,72.9 31.5,72.9 31.36,72.96 31.3,73.1 31.3,73.6 31.26,73.78 31.16,73.94 30.17,74.93 28.83,74.93 28.83,76.85 30.18,76.85 30.66,76.38 30.76,76.22 30.8,76.03 30.8,75.2 30.84,75.02 30.94,74.86 31.16,74.64 31.32,74.54 31.5,74.5 33.3,74.5 33.48,74.54 33.64,74.64 34.06,75.06 34.16,75.22 34.2,75.4 34.2,78.1 34.14,78.24 34,78.3 33,78.3 33,82.11 38.1,82.11
GND_HVPS on BOTTOM: 8,91.5 42,91.5 42,67.5 8,67.5
GND_HVPS on L2_GND: 8,91.5 8,67.5 42,67.5 42,91.5
GND_QUENCH on TOP (solid shape): 95.95,78.75 91.01,78.75 91.01,83 95.95,83
GND_QUENCH on TOP (solid shape): 116.47,67.7 111.7,67.7 111.7,72.6 113.52,72.6 113.66,72.66 113.72,72.8 113.72,82.69 116.47,82.69
GND_QUENCH on TOP (solid shape): 103.51,84.6 103.69,84.56 103.85,84.46 105.17,83.14 105.33,83.04 105.51,83 107.1,83 107.24,82.94 107.3,82.8 107.3,80.75 105.9,80.75 105.81,80.77 105.73,80.82 105.62,80.93 105.54,80.98 105.45,81 99.6,81 99.53,81.03 99.5,81.1 99.5,84.6
GND_QUENCH on BOTTOM, L2_GND: 91,91.5 116.5,91.5 116.5,67.5 91,67.5
V5Q on TOP: 74.2,56.6 74.2,63.4 75.8,63.4 75.8,56.6
VCCIO on BOTTOM: 50,22.05 49.9,22.15 49.9,26.12 49.95,26.17 51.2,26.17 51.25,26.12 51.25,22.79 50.51,22.05
VCCIO on BOTTOM: 57.28,20.75 57.21,20.57 57.03,20.5 54.99,20.5 54.81,20.57 54.74,20.75 54.74,21.52 54.81,21.7 54.99,21.77 57.03,21.77 57.21,21.7 57.28,21.52
VCCIO on BOTTOM: 67.28,20.75 67.21,20.57 67.03,20.5 64.99,20.5 64.81,20.57 64.74,20.75 64.74,21.52 64.81,21.7 64.99,21.77 67.03,21.77 67.21,21.7 67.28,21.52
VCCIO on L3_P: 50.05,17.12 50.05,26.95 67.38,26.95 67.38,17.12
VDD5_LCD on TOP (solid shape): 2.53,19.58 4.12,18.93 4.07,18.64 3.95,18.39 3.95,18.27 4.25,17.96 4.41,17.86 4.59,17.82 6.51,17.82 6.69,17.86 6.85,17.96 7.15,18.26 7.25,18.42 7.29,18.6 7.29,19.35 7.35,19.49 7.49,19.55 11.05,19.55 11.05,17.05 7.29,17.05 7.29,17.05 7.01,17.33 6.85,17.44 6.67,17.47 4.04,17.47 3.86,17.51 3.7,17.61 3.31,18.01 3.25,18 3.19,18
VDD5_LCD on L3_P: 4.5,20.2 11,20.2 11,17.1 7.3,17.1 7.3,17.1 6.91,17.49 6.91,17.5 4,17.5 3.49,18.01 3.34,17.97 3.19,17.96 2.22,18.93 3.19,19.89 3.57,19.81 3.89,19.59 ; 1 cut-out
VDD5_QUENCH on TOP (solid shape): 62.2,72.6 59,72.6 59,70.9 58,70.9 58,73.9 62.2,73.9
VDD5_QUENCH on TOP: 77.9,74.75 77.9,77.85 81.3,77.85 81.3,75.25 79.78,75.25 79.28,74.75
VDD5_QUENCH on L3_P: 53.25,78.45 86.75,78.45 86.75,67.6 53.25,67.6 53.25,67.6
VDD33 on TOP (solid shape): 10.9,22.7 7.3,22.7 7.3,24.4 10.9,24.4
VDD33 on TOP (solid shape): 13.3,37.7 11.7,36.1 11.7,34.7 17.9,34.7 17.9,33.7 11.7,33.7 11.7,31.1 7.3,31.1 7.3,36.9 9.2,36.9 10.2,37.9 10.2,39.2 13.3,39.2
VDD33 on L3_P: 1.47,53.52 11.7,53.52 11.7,31.1 11.02,30.42 11.02,9.13 1.47,9.13 ; 1 cut-out
AUX_PWR_EN on TOP (solid shape): 98,67.6 96.4,67.6 96.4,73.3 98,73.3
PWR_IC on TOP (solid shape): 22.28,77.07 22.52,76.91 22.79,76.85 24.77,76.85 24.77,76.21 23.21,76.21 22.93,76.15 22.69,75.99 21.21,74.51 21.06,74.28 21,74 21,73.2 20.51,72.71 20.36,72.48 20.3,72.2 20.3,70.2 20.21,69.99 20,69.9 18.9,69.9 18.69,69.81 18.6,69.6 18.6,67.6 17,67.6 17,71.1 17.06,71.38 17.21,71.61 20.79,75.19 20.94,75.42 21,75.7 21,77.2 22.15,77.2
PWR_IN on TOP (solid shape): 11.5,78.4 11.56,78.12 11.71,77.89 12.3,77.3 12.3,75.9 10.21,73.81 10.06,73.58 10,73.3 10,67.6 8.1,67.6 8.1,91.33 11.5,91.33
VBIAS on TOP (solid shape): 58.67,89.73 53.1,89.73 53.1,91.25 58.67,91.25
VQUENCH_PWR on TOP (solid shape): 105.53,91.25 105.88,91.1 106.03,90.75 106.03,88.1 104.11,88.1 103.83,88.04 103.6,87.89 103.18,87.47 103.1,87.42 103.01,87.4 101.4,87.4 101.33,87.37 101.3,87.3 101.3,86.9 99.5,86.9 99.5,87.3 99.47,87.37 99.4,87.4 91.6,87.4 91.25,87.55 91.1,87.9 91.1,91.25
N00177 on TOP (solid shape): 25.36,77.78 25.27,77.56 25.06,77.47 23.25,77.47 23.25,81.67 23.31,81.95 23.46,82.18 23.96,82.68 25.36,82.68
N00181 on TOP (solid shape): 30.15,82.68 30.36,82.59 30.45,82.38 30.45,79.6 30.51,79.32 30.66,79.09 32.35,77.4 33.3,77.4 33.3,76.2 31.5,76.2 31.5,77.02 31.26,77.26 31.02,77.42 30.75,77.47 28.81,77.47 28.6,77.56 28.51,77.78 28.51,82.68
N00224 on TOP (solid shape): 33.4,89.6 30.2,89.6 30.06,89.54 30,89.4 30,84.9 22.4,84.9 22.19,84.81 22.1,84.6 22.1,83.2 18.9,83.2 18.9,91.28 24.98,91.28 33.4,91.28
N00671 on TOP (solid shape): 30.16,73.25 30.2,73.07 30.31,72.91 30.67,72.55 30.9,72.39 31.18,72.34 33.57,72.34 33.85,72.39 34.08,72.55 34.11,72.58 34.22,72.73 34.25,72.92 34.25,73.65 35.2,73.65 35.2,72.77 35.14,72.49 34.99,72.26 34.74,72.01 34.51,71.86 34.23,71.8 30.48,71.8 30.2,71.86 29.96,72.01 29.04,72.94 28.88,73.17 28.83,73.45 28.83,74.32 30.16,74.32
N03183 on TOP (solid shape): 24.77,73.68 24.83,73.4 24.99,73.16 25.2,72.95 25.2,71.85 24.25,71.85 24.2,71.9 22.65,71.9 22.01,72.54 21.86,72.77 21.8,73.05 21.8,74.31 24.77,74.31
N10874 on TOP: 29.15,45.37 33.34,45.37 33.36,45.39 33.36,46.66 33.31,46.71 29.12,46.71 29.1,46.69 29.1,45.42
N281531 on TOP (solid shape): 40,74.64 40,74.63 40,72.23 39.95,71.95 39.79,71.71 37.74,69.66 37.5,69.5 37.23,69.45 32.52,69.45 32.25,69.39 32.01,69.24 31.93,69.16 31.7,69 31.42,68.94 30.65,68.94 30.38,69 30.14,69.16 27.73,71.57 27.57,71.81 27.51,72.08 27.51,73.09 27.46,73.37 27.3,73.6 26.18,74.72 25.95,74.88 25.67,74.94 23.42,74.94 23.42,75.59 25.72,75.59 26,75.53 26.23,75.37 27.84,73.77 28,73.53 28.05,73.25 28.05,72.48 28.11,72.2 28.26,71.96 29.27,70.96 29.51,70.8 29.78,70.74 37.69,70.74 37.97,70.8 38.2,70.96 38.99,71.74 39.14,71.97 39.2,72.25 39.2,74.66 39.2,74.66 39.2,76.95 40,76.95
N361468 on TOP (solid shape): 36.8,75.45 36.86,75.31 37,75.25 38.4,75.25 38.4,74.35 36,74.35 36,76.85 36.8,76.85
N365385 on TOP (solid shape): 115.1,90.5 115.45,90.35 115.6,90 115.6,86.03 115.51,85.57 115.25,85.18 113.3,83.23 113.15,83 113.09,82.72 113.09,77.39 113.07,77.3 113.02,77.22 108.54,72.74 108.44,72.58 108.4,72.4 108.4,71.2 104.2,71.2 103.48,71.92 103.43,72 103.41,72.09 103.41,72.49 103.39,72.58 103.34,72.66 101.97,74.03 101.89,74.08 101.8,74.1 100.39,74.1 100.39,75.05 108.15,75.05 108.43,75.11 108.66,75.26 110.43,77.03 110.48,77.11 110.5,77.2 110.5,80.45 110.48,80.54 110.43,80.62 110.37,80.68 110.29,80.73 110.2,80.75 108.7,80.75 108.7,81.35 111.84,81.35 111.91,81.38 111.94,81.45 111.94,83.94 112,84.22 112.15,84.45 113,85.3 113,90 113.15,90.35 113.5,90.5
N365393 on TOP (solid shape): 110.1,90.5 110.45,90.35 110.6,90 110.6,83.4 110.58,83.31 110.53,83.23 110.27,82.97 110.22,82.9 110.2,82.8 110.2,81.7 108.7,81.7 108.7,83.9 108.61,84.36 108.35,84.75 108.15,84.95 107.76,85.21 107.3,85.3 106.57,85.3 106.29,85.36 106.06,85.51 105.37,86.2 105.32,86.28 105.3,86.37 105.3,87.5 106.77,87.5 107.05,87.56 107.28,87.71 107.93,88.36 107.98,88.44 108,88.53 108,90 108.15,90.35 108.5,90.5
N365573 on TOP (solid shape): 109.9,79.3 109.88,79.21 109.83,79.13 109.77,79.07 109.72,78.99 109.7,78.9 109.7,77.3 109.64,77.16 109.5,77.1 100.2,77.1 99.92,77.04 99.69,76.89 97.91,75.11 97.76,74.88 97.7,74.6 97.7,74.1 96.7,74.1 96.7,75.4 96.76,75.68 96.91,75.91 98.99,77.99 99.22,78.14 99.5,78.2 107.6,78.2 107.88,78.26 108.11,78.41 108.49,78.79 108.64,79.02 108.7,79.3 108.7,80.4 109.9,80.4
N365581 on TOP (solid shape): 96.1,84.67 96.12,84.58 96.17,84.5 96.86,83.81 96.96,83.65 97,83.47 97,81.99 97.04,81.81 97.14,81.65 98.25,80.54 98.41,80.44 98.59,80.4 107.3,80.4 107.3,79.8 98.36,79.8 98.18,79.84 98.02,79.94 96.71,81.25 96.61,81.41 96.57,81.59 96.57,81.87 96.58,81.89 96.63,82.04 96.65,82.2 96.65,83 96.55,83.36 96.29,83.62 96.17,83.73 96.09,83.78 96,83.8 94.92,83.8 94.92,86.6 96.1,86.6
N383561 on TOP (solid shape): 101.6,67.6 100.3,67.6 100.3,73.3 101.6,73.3
N387558 on TOP: 46,91.05 47.1,91.05 47.1,86.95 46,86.95
N387570 on TOP: 47.9,91.05 47.9,86.95 48.98,86.95 48.98,91.05
+1.2V on TOP: 29.16,23.98 28.98,24.06 28.91,24.24 28.91,26.73 25.15,26.73 24.97,26.8 24.9,26.98 24.9,28 24.97,28.18 25.15,28.25 28.91,28.25 28.91,30.59 28.98,30.77 29.16,30.84 36.53,30.84 36.71,30.77 36.78,30.59 36.78,24.24 36.71,24.06 36.53,23.98
+2.5V on TOP: 29.16,16.49 28.98,16.57 28.91,16.75 28.91,19.23 25.15,19.23 24.97,19.31 24.9,19.49 24.9,20.5 24.97,20.68 25.15,20.76 28.91,20.76 28.91,23.1 28.98,23.27 29.16,23.35 36.53,23.35 36.71,23.27 36.78,23.1 36.78,16.75 36.71,16.57 36.53,16.49
+3.3V on TOP: 29.16,31.48 28.98,31.55 28.91,31.73 28.91,34.22 25.15,34.22 24.97,34.29 24.9,34.47 24.9,35.49 24.97,35.67 25.15,35.74 28.91,35.74 28.91,38.08 28.98,38.26 29.16,38.34 36.53,38.34 36.71,38.26 36.78,38.08 36.78,31.73 36.71,31.55 36.53,31.48
GND on TOP (solid shape): 16.9,24.3 17.04,24.24 17.1,24.1 17.1,23.9 17.14,23.72 17.24,23.56 18.46,22.34 18.56,22.18 18.6,22 18.6,20.4 18.54,20.26 18.4,20.2 15.4,20.2 15.4,24.3
GND on BOTTOM: 90.25,41.4 90.07,41.48 89.99,41.66 89.99,46.35 90.07,46.53 90.25,46.61 99.4,46.61 99.4,41.4
GND_HVPS on TOP (solid shape): 38.2,73.8 38.34,73.74 38.4,73.6 38.4,72.1 38.34,71.96 38.2,71.9 36.2,71.9 36.06,71.96 36,72.1 36,73.6 36.06,73.74 36.2,73.8
HV+ on TOP (solid shape): 41.9,67.9 41.84,67.76 41.7,67.7 40.3,67.7 40.09,67.79 40,68 40,70.1 40.06,70.38 40.21,70.61 40.69,71.09 40.84,71.32 40.9,71.6 40.9,84.3 40.84,84.44 40.7,84.5 35.8,84.5 35.66,84.56 35.6,84.7 35.6,91.25 41.9,91.25
N427666 on TOP: 13.81,50.31 15.3,53.91 16.1,53.75 16.78,53.3 21,53.3 21,52 17.4,52 17.41,51.9 17.41,51.8

## Text on the board
Ref Des/Silkscreen Bottom: JUN252023 | PHOTON_DETECTOR | REVA21 | 5V | GND | T9 | R9 | R12 | R11 | T12 | DON | P10 | R3 | T14 | T13 | T8 | PRO | T15 | R14 | T7 | M14 | M13 | R7 | T6 | L16 | P6 | L14 | J13 | T5 | K14 | R5 | P5 | N5 | J11 | J12 | R1 | G12 | H11 | R2 | R15 | P1 | P2 | R16 | H13 | N1 | H14 | N3 | G14 | M1 | M2 | G16 | P16 | N4 | M5 | P15 | L1 | F13 | L3 | F14 | L4 | L5 | M16 | M15 | D14 | K1 | K2 | D16 | K15 | J1 | J3 | K16 | J4 | H16 | H15 | K3 | F15 | G5 | F16 | G6 | F5 | E6 | E16 | E15 | C15 | H1 | H2 | C16 | B15 | G1 | G3 | B16 | F3 | D11 | F4 | D12 | B14 | E3 | E4 | A14 | F1 | C13 | F2 | A13 | A12 | E2 | E1 | B12
Ref Des/Silkscreen Top: VIN5 | GND | PULSE | QUENCH | RESET | POWER | AUX | V | PHOTON_DETECTOR | REVA21 | R | EXT SYNC | T | JUN252023 | G | 1.2V | 2.5V | 3.3V | HVPS | EN_AUX
XSECTION_CHART: *  SURFACE | L1 TOP CONDUCTOR | *  DIELECTRIC | L2 L2_GND PLANE | L3 L3_P PLANE | L4 BOTTOM CONDUCTOR | DESIGN CROSS SECTION CHART | ___________________________ | TOTAL THICKNESS 0.56693 MM | 1-4
User.7: FIGURE | FINISHED_SIZE | 0.254 | 0.3048 | 0.4064 | 0.8 | 0.89 | 1.0 | 1.0211 | 1.4 | 1.5 | 0.5 | 0.8999 | 3.0 | 1.4x0.5999 | ROTATION | - | 90.000 | DRILL CHART: TOP to BOTTOM | ALL UNITS ARE IN MILLIMETERS | TOLERANCE_DRILL | +0.0/-0.0 | +0.05/-0.05 | PLATED | NON-PLATED | QTY | 325 | 4 | 229 | 2 | 34 | 134 | 28 | 7 | 120 | 5 | 900 | TOTAL HOLES:
